# KiCad board Turbo_XT_Mainboard R3.kicad_pcb (continued)
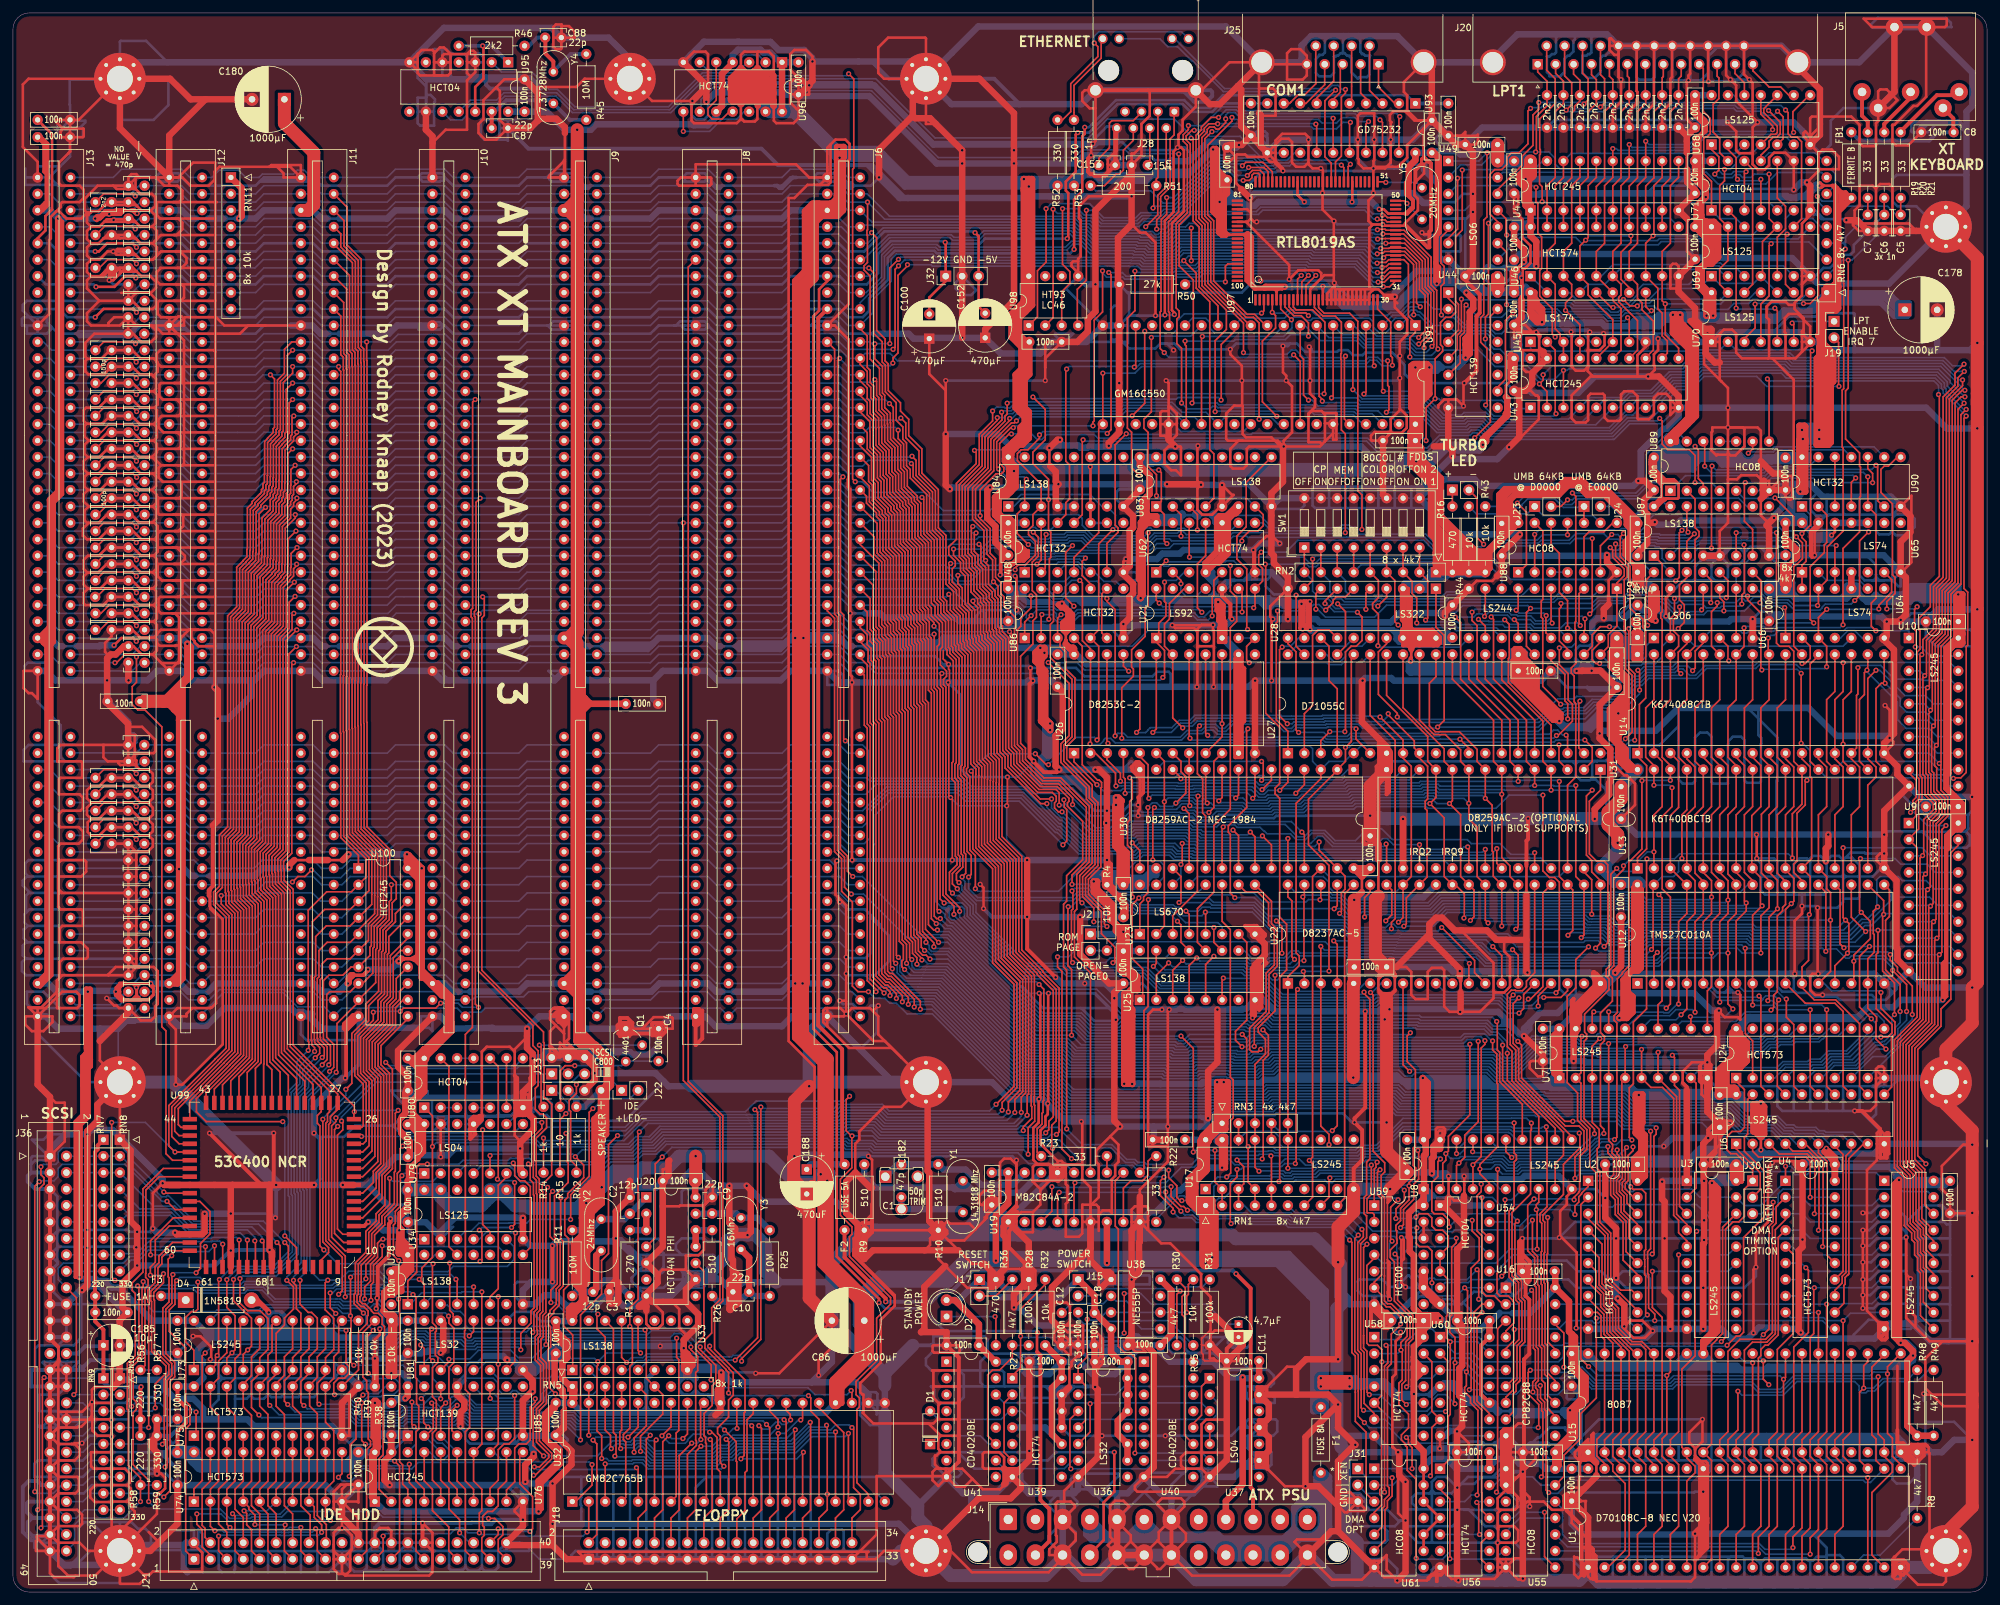
[diagram p0: board, top side]
## Routing (per net, layer and track width the routed paths; a pad name or vN(x,y) marks a point on that pad's centre or on a via; arc(x,y) is an arc through that point) (continued)
VCC: length 9705
  Top w0.25: 299.2,114.93 298.7,114.43 ; 299.2,114.93 298.83,114.55 ; 299.2,114.93 299.2,115.31 ; 298.7,114.43 298.7,117.09 U9.20 ; 298.7,114.43 298.7,91.95 298.2,91.44 v1(297.94,91.44) ; 298.45,114.43 298.58,114.55 298.83,114.55 ; 298.83,114.55 298.45,114.55 ; 299.2,115.31 299.2,115.18 298.7,114.68 298.45,114.68 ; 299.2,115.31 299.2,116.98 ; RN4.1 250.82,157.99
  Top w0.4: 19.43,91.82 19.18,91.82 18.73,91.37 ; 19.43,91.82 19.81,91.44 ; 19.43,91.82 19.12,92.13 19.12,92.39 ; 59.94,97.79 60.2,98.04 60.2,98.04 60.38,97.86 61.54,97.86 61.59,97.92 61.72,97.79 ; U65.12 281.31,163.7 v1(280.8,163.19) ; 187.8,209.59 187.29,209.59 186.94,209.93 ; 187.8,209.59 187.62,209.59 187.32,209.3 186.56,209.3 185.93,209.93 185.93,212.34 ; 187.8,209.59 190.04,209.59 ; 187.8,209.59 186.94,210.44 186.94,217.17 187.45,217.68 C73.1 ; 185.93,212.34 185.93,216.92 ; 185.93,212.34 185.8,212.34 185.55,212.6 ; 185.93,216.92 185.8,217.04 185.8,218.06 ; 185.93,216.92 186.31,217.3 ; 195.09,200.76 195.09,200.85 194.8,201.15 ; 195.09,200.76 195.09,201.11 195.05,201.15 ; 195.09,200.76 195.09,200.9 195.34,201.15 194.8,201.15 ; 195.09,200.76 U97.6 ; 186.31,217.3 186.31,219.2 186.31,219.2 ; 186.31,217.3 186.31,217.68 185.93,218.06 ; 185.55,212.6 185.55,218.69 185.04,219.2 185.04,219.71 ; 185.55,212.6 185.29,212.85 ; 254.57,171.65 254.57,171.25 ; 254.57,171.65 254.38,171.83 ; 254.57,171.65 255.33,171.65 ; 254.57,171.25 254.57,171 ; 254.57,171.25 254.72,171.4 256.87,171.4 ; 20.95,91.44 21.67,92.16 21.67,93.58 ; 20.95,91.44 19.81,91.44 ; 20.95,91.44 20.57,91.44 ; 190.04,209.59 190.33,209.29 190.33,202.48 191.66,201.15 191.88,201.15 ; 190.04,209.59 190.13,209.68 190.63,209.68 ; 43.43,113.03 45.72,113.03 ; v1(206.76,214.66) 206.79,214.7 U97.57 ; 17.78,91.44 17.31,91.44 16.51,92.24 ; 17.78,91.44 17.14,91.44 ; 17.78,91.44 18.33,91.44 19.06,92.18 ; 18.8,91.69 19.06,91.95 ; 18.8,91.69 19.12,92.01 19.12,92.39 ; 18.8,91.69 18.48,91.37 ; 19.06,91.95 19.57,91.44 20.57,91.44 ; 19.06,91.95 19.06,92.18 ; 19.12,92.39 19.12,93.29 19.19,93.35 v1(19.06,93.35) ; 59.66,56.93 59.66,58.26 60.96,59.56 ; 16.51,93.34 17.08,93.91 18.51,93.91 v1(19.06,93.35) ; 16.51,93.34 16.51,92.71 ; 16.51,93.34 16.19,93.03 ; 16.51,93.34 16.51,93.98 ; 298.2,97.28 298.2,91.69 v1(297.94,91.44) 298.45,91.95 298.45,97.54 ; v1(15.6,146.19) 16.73,147.32 18.54,147.32 v1(19.05,146.81) ; 59.66,57.73 v1(59.66,55.85) ; C59.1 5.08,223.39 5.08,214.63 J13.3 ; U97.17 v1(202.25,201.61) ; v1(19.06,93.35) 19.06,93.97 19.05,93.98 ; v1(19.06,93.35) 19.68,93.97 19.68,93.98 ; v1(19.06,93.35) 19.06,92.18 ; 261.11,227.2 260.92,227.01 260.92,225.56 260.29,224.94 260.22,224.94 260.22,224.66 260.52,224.66 260.52,224.67 261.22,225.36 261.22,225.66 ; 84.84,35.43 85.02,35.62 ; 162.56,148.21 162.56,146.94 ; 185.61,219.14 185.29,218.82 185.29,212.85 ; 185.61,219.14 185.8,218.95 ; 185.61,219.14 185.04,219.71 ; v1(185.29,222.76) 185.04,222.5 185.04,213.11 185.29,212.85 ; v1(185.29,222.76) 185.29,223.14 185.8,223.14 186.06,222.88 186.06,222.76 ; v1(185.29,222.76) 185.55,222.76 ; 194.8,201.15 191.88,201.15 ; 254.57,171 255.21,171.65 255.34,171.65 ; 254.57,171 254.57,170.62 ; 254.57,171 254.38,171.18 254.38,171.83 ; 252.73,174.12 252.73,174.55 C93.1 253.03,175.18 252.73,174.88 252.73,174.12 ; 252.73,174.12 252.73,172.72 254.57,170.88 254.57,170.62 ; 175.03,167.41 175.03,167.87 175.01,167.89 ; 19.81,91.44 19.74,91.37 18.73,91.37 ; v1(59.56,97.41) 59.82,97.66 60.33,97.66 60.38,97.72 61.54,97.72 61.59,97.66 62.86,97.66 62.99,97.79 ; 254.38,171.83 256.45,171.83 257.18,171.1 ; 191.88,201.15 191.88,201.31 191.77,201.42 ; 231.77,203.82 231.77,203.96 233.3,205.49 233.3,206.12 ; 231.77,203.82 231.9,203.94 232.51,203.94 ; 231.77,203.82 231.77,203.83 ; 185.8,218.95 186.88,217.87 186.69,218.06 185.93,218.06 ; 185.8,218.95 185.8,218.69 ; 185.8,218.95 185.8,219.71 ; 186.06,222.76 186.06,219.96 185.8,219.71 ; 186.06,222.76 185.93,222.76 ; 186.06,222.76 185.55,222.76 ; 186.06,222.76 186.06,219.46 186.31,219.2 ; 17.14,91.44 17.23,91.36 17.24,91.37 18.48,91.37 ; 17.14,91.44 16.51,92.07 ; 59.56,49.4 59.56,49.28 58.42,48.13 ; 232.51,203.94 232.51,204.57 v1(233.29,205.34) ; 232.51,203.94 232.11,203.54 232.11,202.56 232.28,202.39 232.28,201.32 232.3,201.31 231.77,200.79 C43.1 231.27,201.17 231.27,203.96 231.77,204.47 232.42,204.47 v1(233.29,205.34) ; 53.02,95.18 53.54,95.18 ; 53.02,95.18 52.9,95.18 52.58,95.5 ; 53.02,95.18 52.76,95.18 52.71,95.12 52.32,95.12 ; 53.54,95.18 54.16,95.18 54.84,95.86 v1(54.84,96.14) 54.02,95.32 ; 53.54,95.18 53.88,95.18 54.02,95.32 ; 255.33,168.84 255.14,168.66 255.02,168.66 ; 255.33,168.84 255.59,168.84 ; 255.33,168.84 254.57,168.84 254.57,169.23 ; 19.05,93.98 19.68,93.98 ; 19.05,93.98 17.14,93.98 ; 19.68,93.98 20.83,93.98 ; 185.8,218.69 186.75,217.74 ; 185.8,218.69 185.8,219.71 ; 254.57,170.62 254.57,169.23 ; 254.57,169.23 254.57,169.11 255.02,168.66 ; 254.57,169.23 254.57,169.22 253.37,168.02 U87.16 254,167.64 255.02,168.66 ; 4.38,93.66 4.06,93.98 J13.78 3.81,93.85 4.19,93.47 ; 16.19,93.03 v1(15.88,92.71) ; 16.19,93.03 16.19,93.66 ; 16.19,93.03 16.51,92.71 ; 16.19,93.03 17.14,93.98 ; v1(15.88,92.71) 16.51,92.07 ; v1(15.88,92.71) 15.88,93.34 16.19,93.66 ; v1(15.88,92.71) 16.51,92.71 ; 185.8,219.71 185.8,218.06 ; 185.8,219.71 185.8,222.5 185.55,222.76 ; 190.63,209.68 190.88,209.42 190.88,202.56 191.9,201.55 v1(196.34,201.55) 195.96,201.17 195.36,201.17 ; 190.63,209.68 190.63,202.56 191.77,201.42 ; 21.67,93.58 v1(21.27,93.98) 20.83,93.98 ; 21.67,93.58 21.67,93.17 ; v1(186.31,214.66) 186.31,219.2 ; U33.16 86.93,42.48 86.93,44.01 ; 195.36,201.17 195.28,201.09 ; 195.36,201.17 195.11,201.42 191.77,201.42 ; 52.2,95.25 52.2,95.38 52.25,95.32 54.02,95.32 ; 52.2,95.25 52.32,95.25 52.58,95.5 ; 52.2,95.25 52.45,95.5 52.58,95.5 ; 185.8,218.06 185.93,218.06 ; 16.19,93.66 16.51,93.98 ; 233.3,205.34 v1(233.29,205.34) ; v1(233.29,205.34) 231.77,203.83 ; v1(199.39,214.66) 198.34,215.71 U97.70 ; 231.77,187.58 230.5,186.31 230.5,181.99 227.08,178.56 227.08,177.29 v1(226.95,177.16) ; 20.57,91.44 20.83,91.44 21.67,92.28 21.67,93.17 ; U93.20 216.53,221.43 215.74,220.63 215.74,215.34 216.19,214.89 216.19,214.12 214.93,212.85 212.34,212.85 211.67,213.53 v1(210.95,213.53) ; 86.99,146.69 86.36,147.32 85.98,147.32 ; 86.99,146.69 88.26,145.41 88.26,144.78 ; 86.99,146.69 86.99,148.21 87.63,148.84 87.63,211.84 85.85,213.61 ; 16.51,93.98 17.14,93.98 ; 18.68,213.36 v1(19.16,212.87) ; 18.73,91.37 18.48,91.37 ; 50.93,113.03 48.64,113.03 ; 255.59,168.84 255.2,168.84 255.02,168.66 ; 255.59,168.84 257.01,168.84 257.18,169 257.18,171.1 ; 253.37,173.74 253.37,173.61 255.33,171.65 ; 63.12,98.43 62.36,98.43 61.72,97.79 ; 16.51,92.71 16.51,92.07 ; 16.51,92.71 16.51,92.24 ; 257.18,171.1 256.87,171.4 ; 63.12,99.19 61.98,98.04 61.98,97.79 62.86,96.9 63.12,96.9 ; 88.26,84.33 88.26,144.78 ; 88.26,144.78 88.26,144.91 85.98,147.19 85.98,147.32 ; 256.87,171.4 256.63,171.65 255.34,171.65 ; 255.34,171.65 255.33,171.65 ; 16.51,92.07 16.51,92.24 ; U48.10 U84.6 166.37,173.74 v1(166.35,173.76) ; v1(269.88,68.26) 269.88,70.24 ; 260.1,227.46 260.69,226.86 261.22,226.86 ; 260.1,227.46 259.21,228.35 259.21,230.63 C51.1 260.22,230.63 260.22,228.09 ; 260.1,227.46 261.22,226.34 261.22,225.96 ; 87.25,225.68 v1(87.12,225.81) ; 21.67,93.17 20.86,93.98 20.83,93.98 ; U61.14 U61.13 U61.12 U56.4 U61.10 U61.9 ; 88.37,57.04 88.37,45.36 88.39,45.34 87.99,44.93 87.86,44.93 ; 185.29,220.22 185.29,219.96 185.04,219.71 ; 215.9,145.29 215.9,144.27 215.87,144.24 ; 61.72,97.79 63.12,96.39 ; 185.04,219.71 185.04,220.6 185.29,220.85 ; 85.98,147.32 J9.29 ; 88.26,85.34 88.01,85.09 ; 231.77,203.83 231.77,202.56 ; 283.84,215.14 FB1.2 283.53,215.58 282.51,215.58 280.92,217.17 v1(278.89,217.17) ; 38.61,44.32 37.59,44.32 D4.2 37.46,45.08 39.37,43.18 v1(39.5,43.18) ; 208.28,108.08 208.28,110.49 ; 18.41,213.36 14.73,213.36 13.46,212.09 v1(12.7,212.09)
  Top w0.6: 153.86,158.37 155.19,159.7 155.19,160.4 ; 153.86,158.37 153.54,158.37 ; 153.86,158.37 153.92,158.37 154.31,158.76 154.47,158.76 155.02,159.31 ; 281.31,216.79 281.62,216.47 281.62,216.09 ; 281.31,216.79 281.34,216.76 281.34,201.96 281.24,201.87 ; 281.31,216.79 280.92,217.17 281.31,217.17 281.62,216.85 ; v1(297.94,91.44) 297.94,97.03 298.45,97.54 298.45,114.68 ; 60.52,50.36 60.52,53.15 60.32,53.34 ; 62.65,80.73 62.65,76.45 61.76,75.56 61.76,72.98 C33.1 ; 59.66,56.74 59.66,56.55 60.2,56.01 60.2,54.36 60.07,54.23 ; 83.82,39.12 83.82,40.39 ; 83.82,39.12 85.12,37.82 85.12,35.72 85.02,35.62 ; 83.82,39.12 84.33,39.12 85.6,37.85 ; U9.20 300.1,119 300.1,122.81 ; U9.20 299.4,117.79 ; U9.20 300.23,118.62 300.23,117.6 ; U9.20 C77.1 ; 299.85,123.06 298.83,124.08 298.7,124.08 ; 299.85,123.06 300.1,122.81 ; 299.85,123.06 299.85,117.62 299.46,117.23 ; 153.36,158.8 153.54,158.62 153.54,158.37 ; 153.36,158.8 153.97,158.8 ; 153.36,158.8 153.36,157.54 153.54,157.35 ; 155.44,159.25 154.96,159.25 154.7,158.99 ; 155.44,159.25 156.07,159.25 156.72,159.89 ; 155.44,159.25 156.21,160.02 ; v1(199.14,148.72) 200.15,148.72 v1(200.28,148.59) ; v1(199.14,148.72) 198.88,148.72 198.75,148.84 ; v1(199.14,148.72) 199.01,148.84 198.75,148.84 ; v1(199.14,148.72) 199.14,152.4 v1(198.95,152.59) ; v1(199.14,148.72) 199.52,149.1 ; U76.1 55.24,14.61 55.24,21.21 55.63,21.59 U76.20 56.51,22.23 56.51,29.34 56.13,29.72 55.75,29.72 55.5,29.46 55.5,28.7 ; 155.19,160.4 155.19,159.77 ; 155.19,160.4 155.19,161.54 ; 199.3,152.95 199.3,149.31 199.52,149.1 ; 199.3,152.95 199.73,152.95 ; 199.3,152.95 v1(198.95,152.59) ; 216.15,148.59 216.15,148.34 216.53,147.96 ; 216.15,148.59 215.9,148.84 ; 216.15,148.59 219.2,148.59 ; 57.12,43.78 58.42,42.48 R38.2 ; 57.12,43.78 57.12,43.46 57.53,43.05 57.53,42.8 ; 57.12,43.78 57.12,46.32 58.42,47.62 58.42,47.88 59.94,49.4 ; 57.12,43.78 58.36,42.55 58.42,42.55 R38.2 ; R38.2 57.53,42.8 ; R38.2 58.55,41.91 59.05,41.4 59.05,33.4 58.04,33.4 ; 57.53,42.8 57.53,43.31 57.56,43.34 ; 215.9,148.84 215.9,147.45 ; 215.9,148.84 215.39,149.35 ; 153.17,155.2 153.43,154.94 C36.1 ; 153.17,155.2 153.17,154.81 ; 153.17,155.2 153.17,155.58 ; U26.11 189.74,129.54 189.74,130.43 ; U26.11 189.23,129.92 189.74,130.43 ; U26.11 188.72,130.05 188.72,130.68 ; v1(250.57,149.99) 250.57,148.59 250.44,148.46 ; v1(250.57,149.99) 250.32,150.24 250.19,150.24 250.19,149.73 ; v1(250.57,149.99) 250.44,149.99 250.19,149.73 ; 185.8,152.4 185.8,153.16 186.18,153.16 186.94,152.4 186.94,152.02 ; 185.8,152.4 185.8,151.58 186.09,151.29 ; 185.8,152.4 186.09,152.11 ; U21.5 187.2,147.83 187.2,148.72 ; U21.5 186.69,149.35 ; U21.5 186.31,147.7 186.31,148.97 ; v1(15.88,92.71) 15.88,92.2 16.72,91.36 17.23,91.36 ; 153.97,158.8 154.29,158.8 ; 153.97,158.8 154.51,158.8 154.7,158.99 ; 154.29,158.8 154.97,159.48 154.97,160.72 ; 154.29,158.8 154.29,158.75 153.84,158.29 153.84,157.27 ; 250.44,148.46 250.19,148.21 250.19,145.8 ; 250.44,148.46 250.82,148.84 ; 11.05,81.91 11.24,82.11 11.24,85.15 11.43,85.34 ; 11.05,81.91 11.05,83.06 11.68,83.69 ; 11.05,81.91 11.05,81.15 ; 186.69,152.28 186.69,152.27 186.94,152.02 ; 186.69,152.28 v1(186.09,152.88) ; 186.69,152.28 186.69,151.13 ; 250.3,158.63 251.09,158.63 ; 250.3,158.63 250.3,158 RN4.1 ; 250.3,158.63 250.19,158.74 250.19,158.75 ; 251.09,158.63 251.45,158.63 ; 251.09,158.63 251.09,157.74 RN4.1 ; 299.66,145.99 300.35,146.69 U10.20 299.85,147.32 298.7,146.18 ; 299.66,145.99 299.05,145.38 299.05,126.42 298.96,126.33 ; 299.66,145.99 298.96,145.29 298.96,126.33 ; 156.72,160.78 156.46,160.78 156.21,161.04 ; 156.72,160.78 156.72,159.89 ; 156.72,160.78 156.72,160.53 156.21,160.02 ; 16.91,213.11 17.2,213.39 ; 16.91,213.11 16.59,212.78 v1(14.87,212.78) ; 16.91,213.11 15.2,213.11 v1(14.87,212.78) ; 17.2,213.39 15.91,213.39 15.88,213.36 ; 17.2,213.39 17.27,213.39 ; 298.7,146.18 298.32,145.8 298.32,126.37 ; 298.7,146.18 298.7,126.75 298.32,126.37 ; 266.95,63.37 266.95,65.15 C32.1 266.45,66.04 266.89,65.6 ; 266.95,63.37 266.19,63.37 U3.20 266.64,64.07 ; 266.95,63.37 266.95,65.53 266.89,65.6 ; 249.56,164.47 249.56,164.85 249.94,165.23 249.94,164.38 250.06,164.26 ; 249.56,164.47 249.56,165.61 249.36,165.8 ; 249.56,164.47 249.56,164.46 249.56,162.99 ; v1(39.5,43.18) 39.5,43.43 37.85,45.08 D4.2 ; 153.54,156.97 153.54,158.37 ; 188.72,130.68 188.72,144.15 189.23,144.65 U26.14 189.36,144.78 189.74,144.4 189.74,143 190.12,142.62 ; 188.72,130.68 188.72,128.91 189.74,128.91 189.74,130.43 ; v1(14.87,212.78) 14.15,212.78 13.46,212.09 v1(12.7,212.09) ; v1(14.87,212.78) 14.17,212.78 14.16,212.79 ; 266.64,64.07 266.89,64.33 266.89,64.83 ; 266.64,64.07 266.64,64.58 266.38,64.83 ; 299.08,123.29 299.39,122.98 ; 299.08,123.29 298.32,124.05 298.32,126.37 ; 299.08,123.29 299.08,123.7 298.7,124.08 ; 299.39,122.98 299.39,117.81 299.4,117.79 ; 299.39,122.98 300.35,122.02 C77.1 ; 12.06,92.71 v1(11.56,92.71) 12.06,92.2 ; 12.06,92.71 12.06,93.09 11.94,93.22 11.3,93.22 11.3,92.46 11.43,92.33 ; 12.06,92.71 12.06,92.96 ; 12.06,92.71 12.06,92.2 ; v1(278.89,217.17) 279.07,216.99 279.2,216.99 ; v1(278.89,217.17) 279.02,217.17 279.2,216.99 ; v1(278.89,217.17) 278.89,217.42 279.01,217.54 279.38,217.17 ; U14.32 250.57,144.78 250.19,145.16 250.19,145.8 ; 251.45,158.63 251.45,158.11 RN4.1 ; 251.45,158.63 251.71,158.37 251.71,156.97 251.59,156.84 ; 199.73,152.95 198.8,152.95 198.75,152.91 198.75,152.27 ; 199.73,152.95 v1(200.25,152.95) ; 219.84,146.56 219.33,147.07 216.28,147.07 ; 219.84,146.56 220.34,146.56 ; 219.84,146.56 216.79,146.56 216.6,146.75 ; 279.2,216.99 279.38,217.17 ; v1(186.09,152.88) 186.09,152.11 ; v1(186.09,152.88) 186.09,151.29 ; 215.9,147.45 216.28,147.07 ; 215.9,147.45 216.15,147.7 ; 249.43,160.53 249.43,162.86 249.56,162.98 ; 249.43,160.53 249.56,160.66 ; 249.43,160.53 249.43,160.15 ; 186.69,149.35 186.69,149.99 ; 186.69,149.35 186.69,150.24 ; 186.69,149.35 186.06,149.99 186.09,150.02 186.09,150.34 ; 186.69,149.35 186.69,149.22 187.2,148.72 ; C36.1 153.84,155.11 153.84,157.27 ; C36.1 153.53,155.08 ; 189.74,130.43 189.74,134.11 189.8,134.18 ; 58.8,49.4 C184.1 59.94,49.4 ; C79.1 219.71,222.25 220.31,221.65 ; C79.1 219.84,221.49 219.84,209.8 ; C79.1 220.09,221.23 220.09,210.06 219.84,209.8 ; 249.56,162.98 249.56,160.66 ; 249.56,162.98 250.06,163.49 ; 249.56,162.98 249.56,162.99 ; 299.4,117.79 298.45,116.84 298.45,114.68 ; U99.13 54.23,56.51 v1(54.86,57.15) ; RN4.1 250.82,158.12 250.19,158.75 ; RN4.1 251.33,157.48 251.59,157.23 251.59,156.84 ; RN4.1 250.32,156.97 250.32,155.32 251.59,155.32 251.59,156.84 ; 187.2,148.72 187.2,149.86 ; 187.2,148.72 187.2,149.48 186.69,149.99 ; 187.2,148.72 187.2,146.69 186.18,146.69 186.18,148.84 186.31,148.97 ; 187.2,149.86 186.94,150.11 186.94,150.5 ; 187.2,149.86 186.75,150.3 ; 55.5,28.7 55.88,29.08 v1(55.88,29.21) ; 55.5,28.7 55.5,23.88 56.03,23.34 ; v1(200.28,148.59) 200.25,148.61 v1(200.25,152.95) ; v1(200.28,148.59) 199.88,148.99 199.88,149.5 ; v1(200.28,148.59) 200.02,148.84 198.75,148.84 ; 10.67,78.23 10.67,82.68 11.56,83.57 ; 10.67,78.23 10.67,79.76 11.05,80.14 ; 10.67,78.23 10.67,73.66 ; 250.19,158.75 249.43,159.51 ; 249.56,160.66 250.06,161.16 250.06,163.49 ; 249.22,162.64 248.79,162.22 248.79,160.15 249.43,159.51 ; 249.22,162.64 249.22,160.36 249.43,160.15 ; 249.22,162.64 249.56,162.99 ; 57.47,45.4 57.12,45.05 ; 57.47,45.4 57.97,45.9 ; 57.47,45.4 57.47,46.04 58.42,46.99 ; 186.31,148.97 186.31,150.11 ; 215.39,149.35 215.39,154.94 U28.3 ; 215.39,149.35 215.39,147.19 216.41,146.18 ; 11.05,80.14 12.06,81.15 12.06,82.68 ; 11.05,80.14 11.05,79.5 ; 218.82,147.96 219.33,147.45 219.33,146.18 ; 218.82,147.96 216.53,147.96 ; 218.82,147.96 218.69,147.96 218.44,147.7 216.15,147.7 ; 162.54,151.87 161.82,151.87 161.29,152.4 161.29,152.5 161.43,152.64 v1(161.96,152.64) ; 250.06,164.26 C41.1 ; 250.06,164.26 250.06,163.49 ; 219.84,209.3 v1(219.84,202.06) ; 219.84,209.3 219.84,209.8 ; 219.84,209.3 219.84,209.42 220.31,209.9 220.31,221.65 ; v1(219.84,202.06) 219.58,202.31 219.58,205.36 ; v1(219.84,202.06) 220.22,202.44 220.22,204.59 219.58,205.22 219.58,205.36 ; U28.19 U28.20 219.2,147.83 219.2,148.59 ; U28.19 216.53,147.96 ; U28.19 218.06,148.21 ; 250.19,145.8 250.19,144.02 251.46,144.02 251.46,148.08 250.82,148.72 250.82,148.84 ; C91.1 83.9,41.83 84.14,41.59 84.14,40.07 ; 12.06,92.2 12.06,82.68 ; 279.38,217.17 279.53,217.17 ; 186.69,149.99 186.69,150.24 ; 299.46,117.23 298.96,116.73 298.96,115.44 298.45,114.94 298.45,114.68 ; 299.46,117.23 299.83,117.6 300.23,117.6 ; 282.32,216.15 282.51,215.96 282.51,215.58 ; 282.32,216.15 282.96,216.15 ; 282.32,216.15 281.62,216.85 ; 282.32,216.15 282.32,213.74 282.19,213.61 ; 234.08,139.46 234.7,140.08 234.7,143.13 ; 59.66,54.76 59.66,55.02 ; 59.66,55.02 59.44,54.8 59.44,53.98 ; 59.66,55.02 59.66,57.73 60.96,59.03 ; 282.83,215.26 FB1.2 282.96,216.15 ; 282.83,215.26 282.96,215.39 282.96,216.15 ; 282.83,215.26 282.51,215.58 ; 82.61,27.88 82.61,24.96 82.17,24.51 ; 233.3,205.49 233.3,205.34 ; 152.63,166.09 153.82,166.09 154.43,165.48 154.43,162.81 156.21,161.04 ; 189.8,134.18 190.12,134.49 190.12,142.62 ; 189.8,134.18 189.8,142.3 190.12,142.62 ; 189.8,134.18 189.23,133.6 ; 155.02,159.31 155.7,159.99 155.7,160.27 ; 155.02,159.31 154.7,158.99 ; 12.06,82.68 12.06,82.17 11.53,81.63 ; 186.94,152.02 186.94,150.5 ; v1(238.76,134.49) 239.14,134.87 239.14,135.64 235.46,139.32 235.46,142.37 235.08,142.75 ; v1(238.76,134.49) 238.12,134.49 ; v1(238.76,134.49) 238.76,135.38 233.93,140.21 ; 186.69,151.13 186.69,150.75 186.94,150.5 ; 186.69,151.13 186.69,150.24 ; 218.06,148.21 218.69,148.21 219.07,148.59 219.2,148.59 ; 218.06,148.21 216.92,148.21 216.66,147.96 216.53,147.96 ; 153.67,156.08 153.17,155.58 ; 215.26,215.9 215.26,215.81 ; 215.26,215.81 215.74,215.34 ; 215.26,215.81 216.15,214.93 216.15,213.74 215.26,212.85 214.93,212.85 ; 186.31,164.72 U62.10 U83.6 ; 156.21,161.04 156.21,160.02 ; C96.1 83.82,28.32 82.8,27.31 82.17,27.31 ; 261.22,225.66 260.22,224.66 ; 63.5,72.26 63.5,67.94 63.12,67.56 ; 63.5,72.26 63.12,71.88 63.12,67.56 ; 63.5,72.26 63.42,72.18 C33.1 ; 220.31,221.65 220.31,219.78 ; 219.33,146.18 219.96,146.18 220.34,146.56 ; 219.33,146.18 217.17,146.18 ; v1(6.98,212.09) 7.11,212.09 7.62,211.58 7.62,169.55 6.35,168.28 6.35,146.69 5.97,146.3 ; 63.12,67.56 62.47,66.91 ; 220.34,146.56 220.34,147.45 219.2,148.59 ; v1(215.8,143.73) 215.8,144.18 215.87,144.24 ; 235.08,142.75 234.7,143.13 ; 235.08,142.75 235.08,139.45 234.59,138.96 ; 234.7,143.13 234.31,143.51 ; 250.19,149.73 250.19,149.48 250.82,148.84 ; 5.33,218.84 4.83,219.35 4.83,223.65 C59.1 4.32,224.66 5.33,223.65 5.33,218.84 ; 5.33,218.84 5.33,214.5 ; v1(12.7,212.09) 12.7,212.22 12.95,212.47 13.46,212.47 14.23,213.23 14.6,213.23 ; v1(12.7,212.09) 12.95,211.84 13.46,212.35 13.71,212.35 ; v1(198.95,152.59) 198.95,152.46 198.75,152.27 ; 216.53,147.96 216.41,147.96 216.15,147.7 ; 60.96,64.77 60.96,65.88 61.58,65.88 61.67,65.97 61.35,65.65 ; 60.96,64.77 C38.1 ; 60.96,64.77 60.96,65.26 61.35,65.65 ; 154.43,158.72 154.48,158.77 ; 154.43,158.72 154.48,158.77 ; 154.43,158.72 154.3,158.72 154.43,158.72 ; 154.48,158.77 154.7,158.99 ; 246.38,135.89 246.38,136.4 247.59,137.61 247.78,137.61 ; 246.38,135.89 248.19,137.7 248.19,138.02 ; 246.38,135.89 246.38,132.33 246.76,131.95 ; 233.3,145.29 233.55,145.03 233.55,144.27 ; 233.3,145.29 233.3,144.4 233.17,144.27 ; 233.3,145.29 232.79,145.8 231.9,145.8 231.65,145.54 231.65,144.02 231.52,143.89 ; 233.93,140.21 233.55,140.59 233.55,144.27 ; 233.93,140.21 232.41,141.73 C65.1 ; v1(10.29,48.64) 9.65,48.64 9.65,72.64 10.67,73.66 ; 186.09,151.29 186.09,150.34 ; 10.67,73.66 11.05,74.04 11.05,79.5 ; 162.18,148.97 162.05,148.84 162.05,148.46 162.56,147.96 163.32,148.72 163.7,148.72 163.7,151 163.27,151.44 162.97,151.44 ; 61.47,50.67 61.47,52.96 61.09,53.34 60.32,53.34 ; 61.47,50.67 61.47,51.56 U78.16 59.44,53.59 59.44,53.98 ; 61.47,50.67 61.47,50.55 60.32,49.4 59.94,49.4 ; 153.84,157.27 153.84,156.51 153.17,155.84 153.17,155.58 ; 59.44,53.98 59.56,53.98 60.2,53.34 60.32,53.34 ; 186.94,150.5 186.75,150.3 ; 300.74,117.6 301.24,118.11 301.24,121.67 300.1,122.81 ; 300.74,117.6 300.23,117.6 ; 300.74,117.6 300.74,120.9 C77.1 ; 219.84,209.8 219.58,209.55 219.58,205.36 ; 5.71,147.45 5.97,147.19 5.97,146.3 ; 5.71,147.45 5.71,148.59 4.7,147.57 4.7,147.32 ; 5.71,147.45 5.71,146.56 5.97,146.3 ; C33.1 62.47,70.67 62.47,66.77 ; 281.62,216.09 281.62,216.85 ; 281.62,216.09 281.62,213.42 ; 216.28,147.07 216.6,146.75 ; 216.6,146.75 217.17,146.18 ; C177.1 25.4,29.85 26.7,28.54 26.7,26.13 25.4,24.83 C80.1 ; 216.41,146.18 215.9,145.67 ; 216.41,146.18 217.17,146.18 ; 215.9,145.67 215.9,145.29 ; 215.9,145.67 215.39,146.18 214.63,146.18 214.63,148.45 ; 238.12,134.49 237.74,134.49 231.52,140.72 231.52,143.89 231.84,144.21 ; 238.12,134.49 238.12,134.62 231.84,140.91 231.84,144.21 ; RN5.1 86.87,31.24 86.87,29.85 86.36,29.34 U32.40 ; 198.75,152.27 198.75,148.84 ; 233.17,144.27 232.66,144.78 U27.26 231.84,144.21 ; 233.17,144.27 233.17,140.72 233,140.54 ; 234.06,143.76 233.55,144.27 ; 234.06,143.76 234.31,143.51 ; 234.06,143.76 234.06,140.21 233.7,139.85 234.31,140.46 234.31,143.51 ; 11.05,79.5 11.05,81.15 ; 61.35,65.65 62.47,66.77 ; 5.33,214.5 5.33,214.12 4.57,213.36 J13.3 4.95,214.5 5.33,214.5 ; 253.37,151.38 253.75,151.38 254,151.64 254,154.43 253.49,154.94 U66.14 252.73,154.31 252.73,150.19 252.83,150.19 253.03,149.99 v1(253.62,149.99) ; 282.51,215.58 282.51,213.93 ; v1(200.25,152.95) 199.88,152.57 199.88,149.5 ; 255.02,168.66 254.75,168.66 254.57,168.84 U87.16 ; 18.41,213.36 18.8,213.36 19.16,213 v1(19.16,212.87) 18.96,212.87 18.47,213.36 18.16,213.36 ; 249.43,159.51 249.43,160.15 ; 281.62,213.42 281.81,213.23 ; 281.62,213.42 281.62,213.8 282.19,214.38 282.19,215.9 ; 5.97,146.3 5.97,95.25 4.19,93.47 4.19,93.6 J13.78 ; 5.33,146.93 5.07,146.93 4.64,146.49 ; 199.88,149.5 199.88,149.46 199.52,149.1 ; 60.96,59.56 60.71,59.56 59.66,58.52 59.66,57.25 ; 61.72,97.79 61.98,97.79 ; 186.69,150.24 186.75,150.3 ; 266.89,65.6 266.89,64.83 ; 266.89,64.83 266.38,64.83 ; C72.1 281.31,66.55 279.98,67.87 v1(279.98,68.52) ; 61.51,64.56 61.51,65.72 61.86,66.07 61.86,66.16 ; 186.09,150.34 186.31,150.11 ; 11.05,81.15 11.43,81.53 11.43,84.71 ; 266.38,64.83 266.06,64.52 ; 4.64,146.49 J13.29 5.59,149.1 5.71,149.1 ; 4.64,146.49 5.33,145.8 5.33,145.42 ; 61.86,66.16 61.51,65.81 61.51,65.49 ; 61.86,66.16 62.47,66.77 ; 186.31,150.11 186.31,151.89 186.09,152.11 ; 298.96,126.33 298.7,126.07 298.7,124.08 ; v1(81.15,12.45) 81.28,12.45 81.66,12.83 81.66,16.76 84.58,19.69 84.58,21.97 83.68,22.87 82.94,22.87 ; 62.47,66.77 62.47,67.55 ; U60.14 226.66,38.07 226.66,30.51 U60.10 ; v1(220.34,42.29) 218.19,42.29 C68.1 ; 156.72,159.89 156.72,159.89 ; 248.16,141.48 247.9,141.48 246.51,142.88 246.51,145.16 247.65,146.3 ; 275.19,159.62 273.81,158.24 ; 162.56,148.21 162.56,148.59 ; U26.24 163.83,145.16 162.56,146.43 162.56,146.94 162.56,146.06 162.83,145.79 163.11,145.79 ; 16.51,93.98 17.4,93.98